# Altium PCB SK-V101-010301.PcbDoc
Units mm, origin at the board's own origin, x right, y up, seen from the top; angles counter-clockwise.
Board outline 127.36 x 111.13 mm, 2 copper layers (Top Layer, Bottom Layer); 86 components, 41 nets, 332 pads, 347 vias.
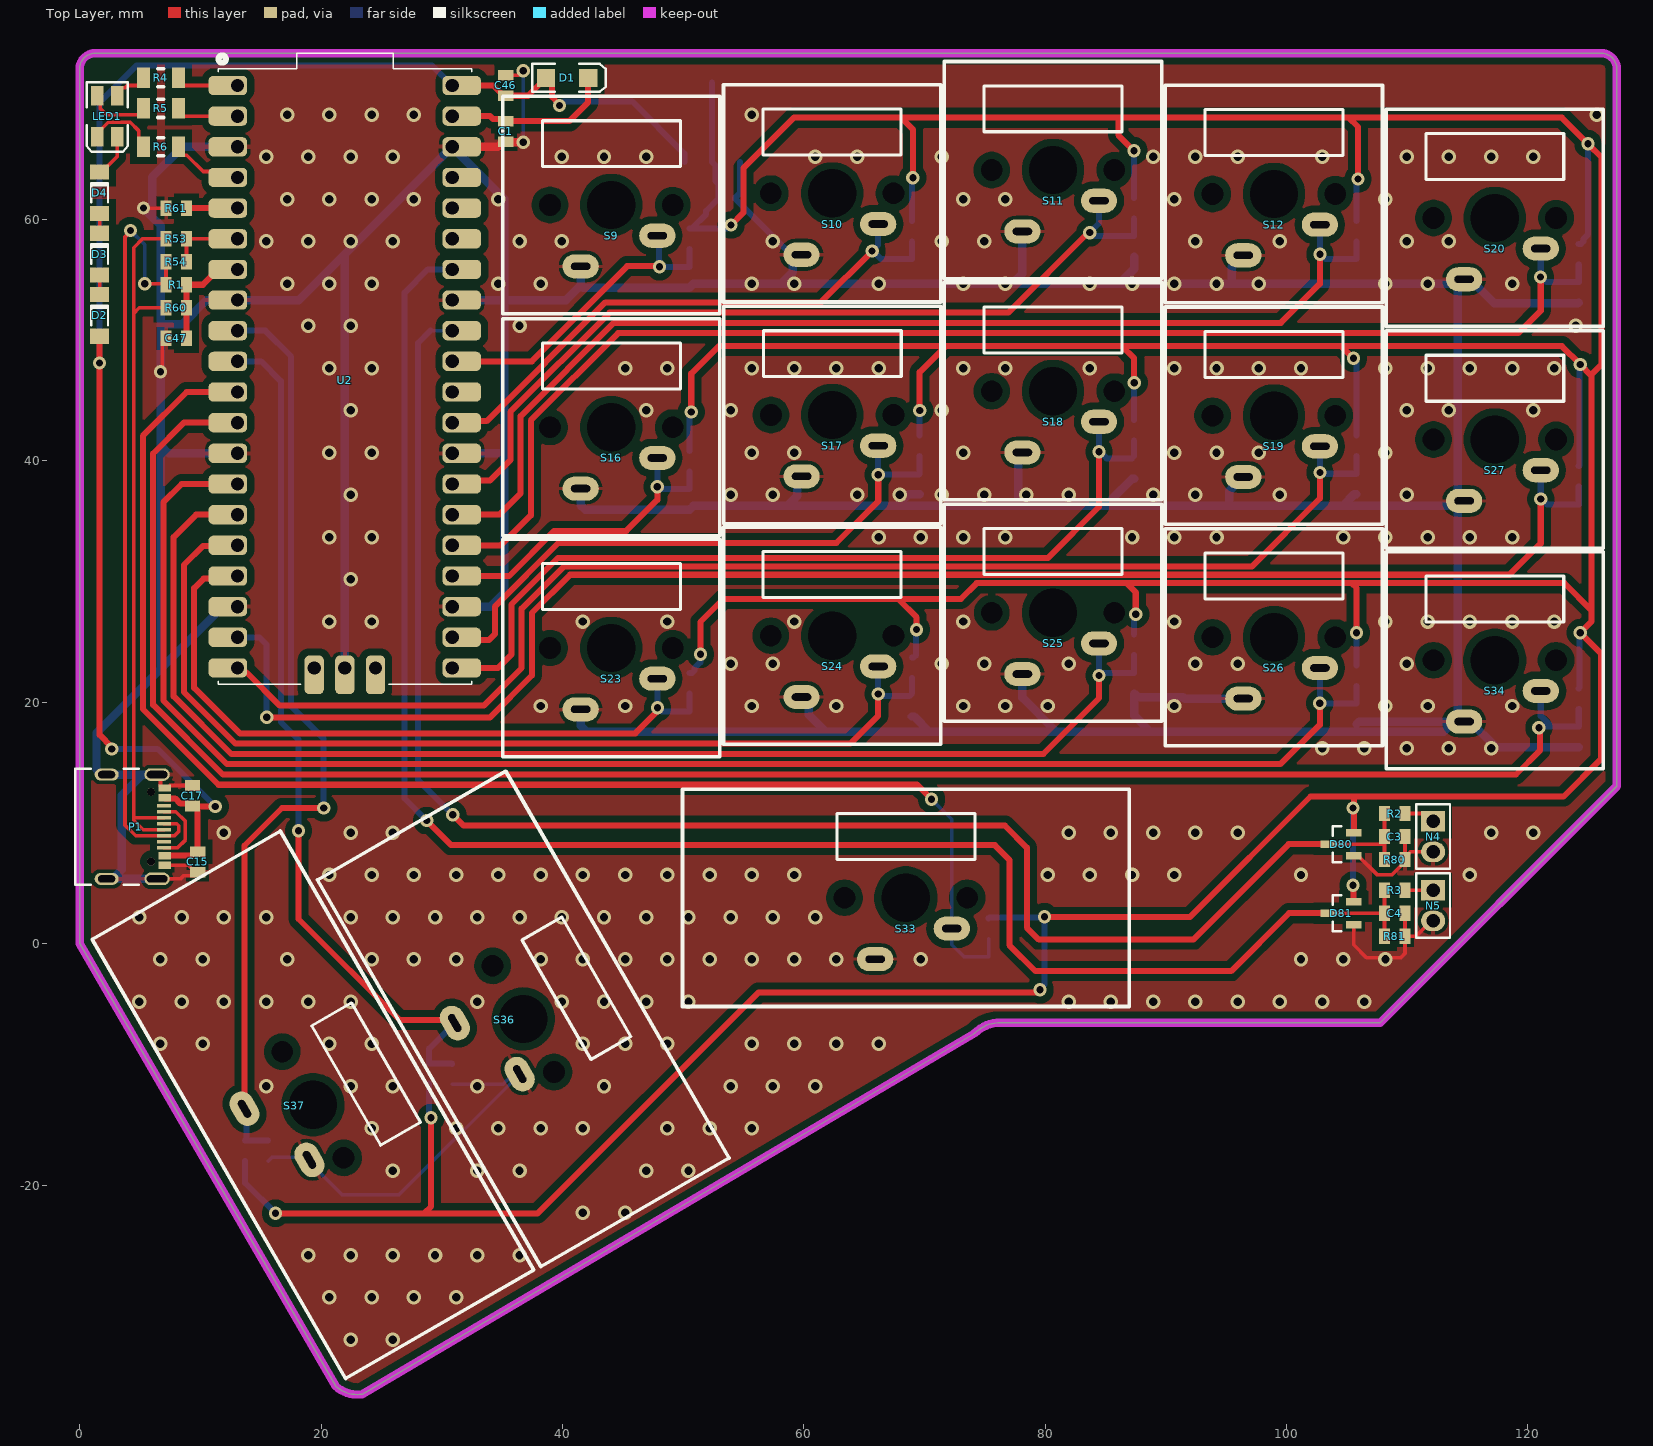
[diagram p0: Top Layer view]
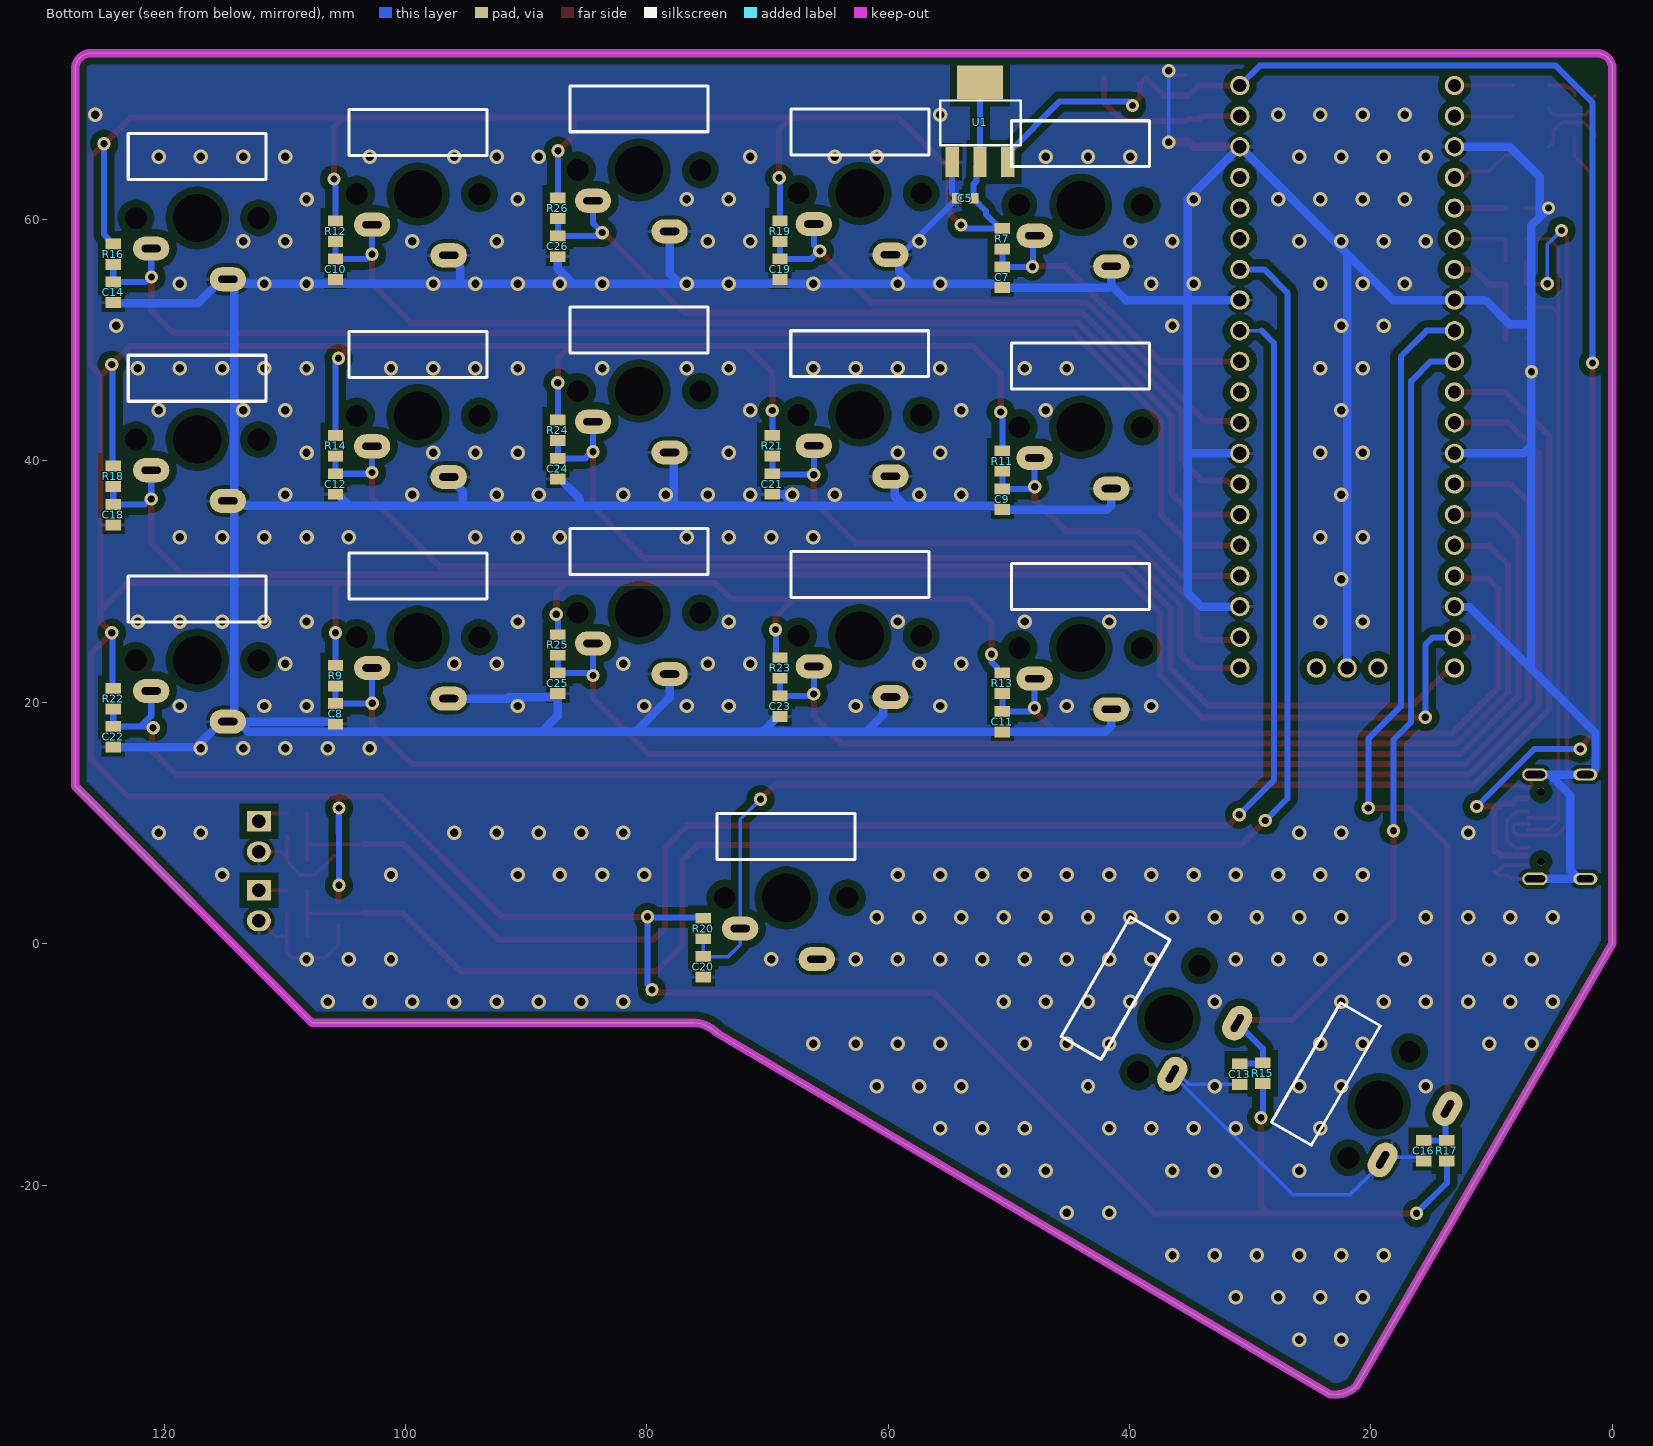
[diagram p1: Bottom Layer view, seen from below]
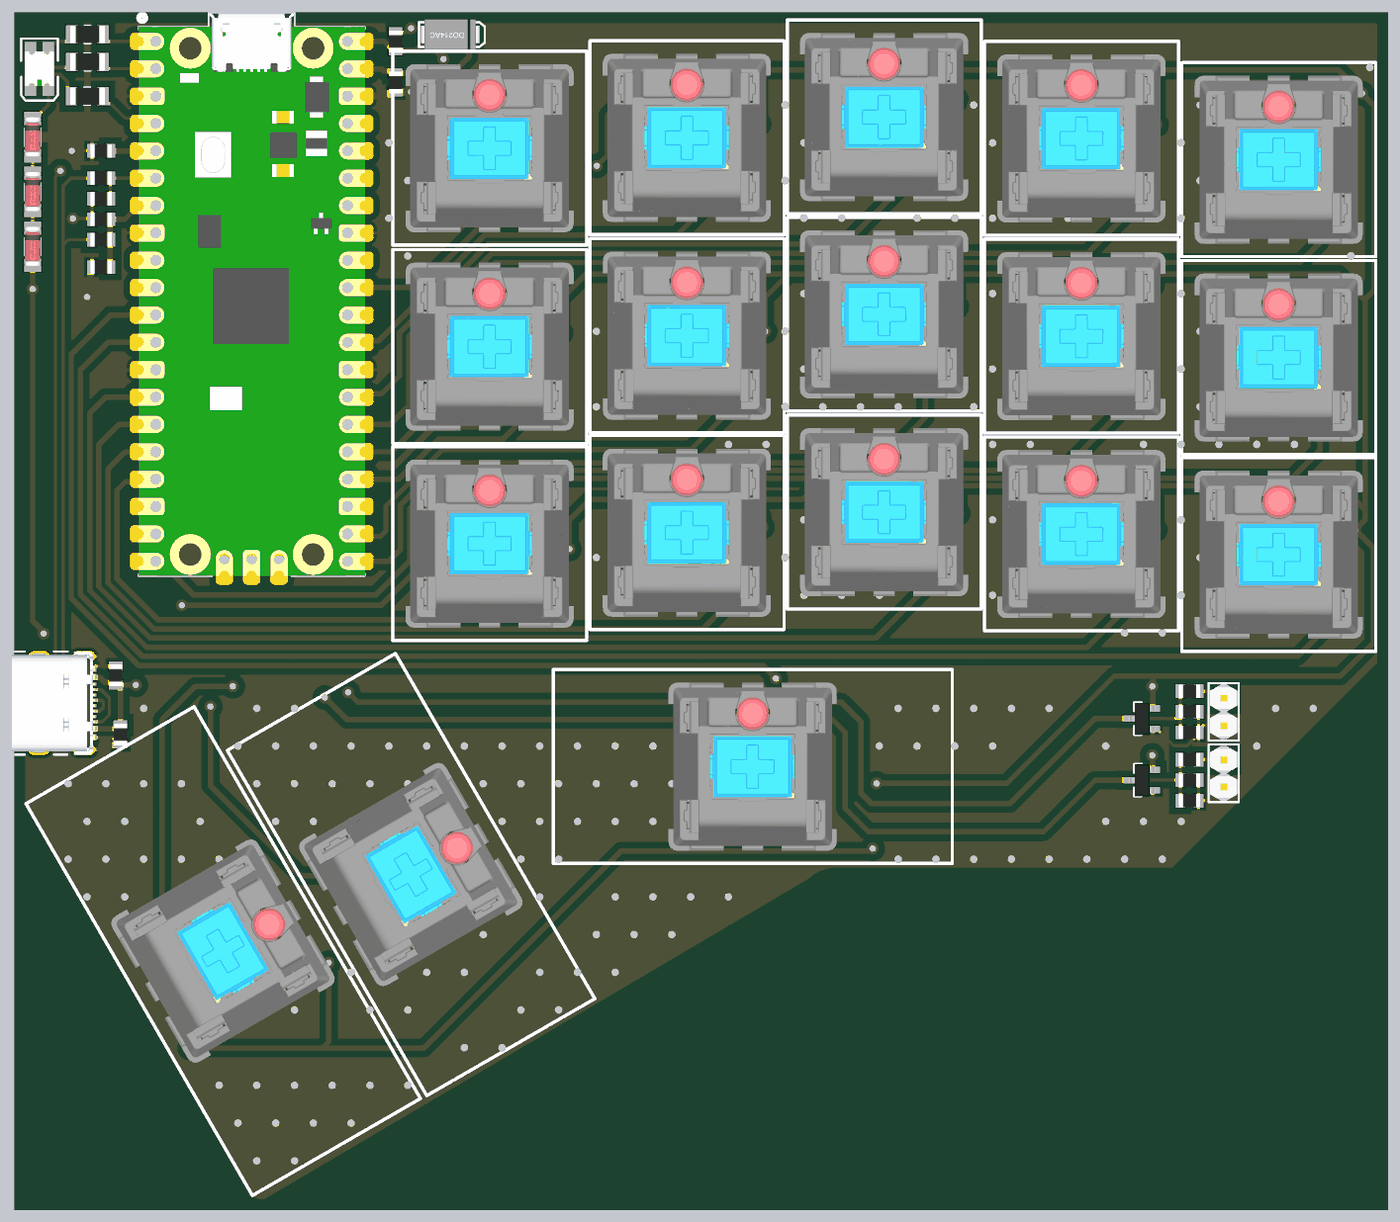
[diagram p2: 3D render of the assembled board from above, using the file's embedded part models]
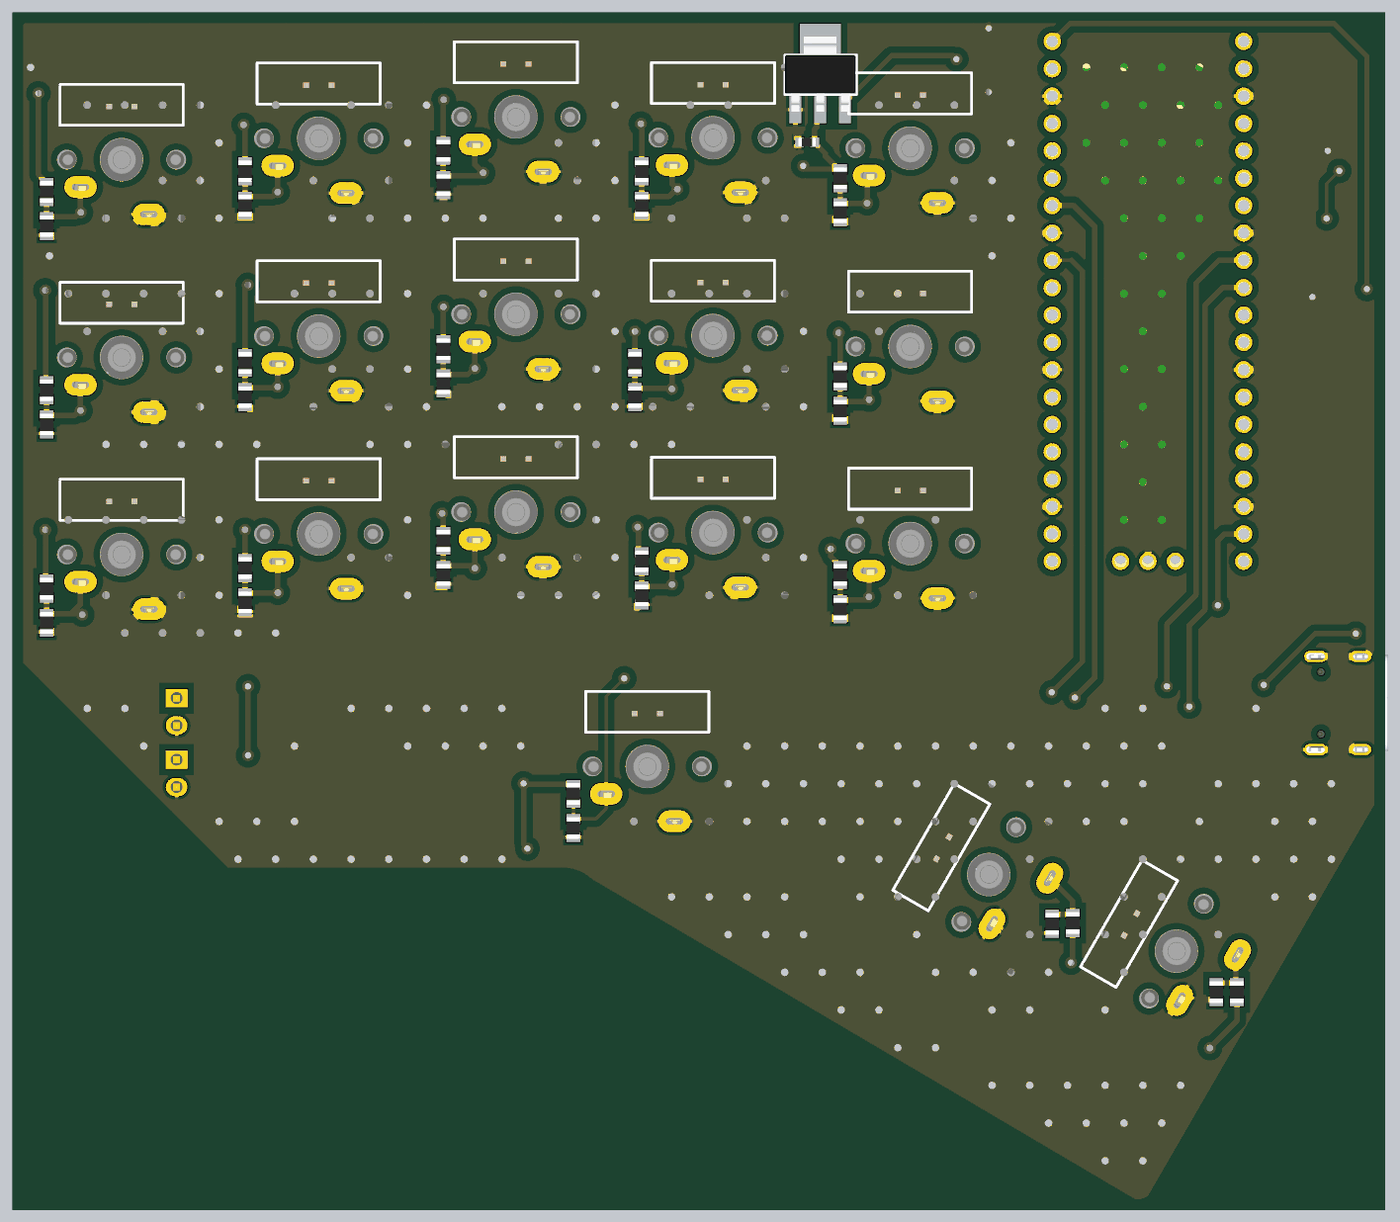
[diagram p3: 3D render of the assembled board from below, using the file's embedded part models]

## Layer stack, top to bottom
Top Solder: solder mask 0.0102, Solder Resist, Dk 3.5
Top Layer: signal copper 0.0356
Dielectric 1: dielectric 0.32, FR-4, Dk 4.8
Bottom Layer: signal copper 0.0356
Bottom Solder: solder mask 0.0102, Solder Resist, Dk 3.5

## Board outline
21.209,-36.668 0,0 0,72.501 cw(c1.27,72.501) 1.27,73.771 126.086,73.771 cw(c126.086,72.501) 127.356,72.501 127.356,69.478 127.356,13.04 107.772,-6.544 76.302,-6.544 ccw(c76.302,-9.61) 74.134,-7.442 23.415,-37.327 cw(c23.005,-34.679)

## Design rules (kind name [scope] priority, off if disabled: settings)
Clearance Poly [All vs InPolygon] p1: gap=0.6 ignorepadtopadclearanceinfootprint=FALSE
Clearance [All] p2: gap=0.2 ignorepadtopadclearanceinfootprint=FALSE
HoleSize [All] p1: absolutevalues=TRUE maxlimit=4.5 minlimit=0.4 maxpercent=80.000 minpercent=20.000
PlaneConnect [All] p1: planeconnectstyle=Direct reliefexpansion=0.508 reliefentries=2 reliefconductorwidth=0.254 reliefairgap=0.254
PolygonConnect [All] p1: thpad.connectstyle=Relief thpad.reliefconductorwidth=0.3 thpad.reliefentries=2 thpad.polygonreliefangle="90 Angle" thpad.airgapwidth=0.3 smdpad.connectstyle=Relief smdpad.reliefconductorwidth=0.3 smdpad.reliefentries=2 smdpad.polygonreliefangle="90 Angle" smdpad.airgapwidth=0.3 via.connectstyle=Direct via.reliefconductorwidth=0.254 via.reliefentries=4 via.polygonreliefangle="90 Angle" via.airgapwidth=0.254
RoomDefinition SK-PiCo [InComponentClass('SK-PiCo')] p1: confinementstyle=ConfineOut formatcopy=TRUE lockcomponents=FALSE outline -89.556,-141.31 -38.756,-141.31 -38.756,-115.91 -89.556,-115.91
RoomDefinition SK-keys [InComponentClass('SK-keys')] p2: confinementstyle=ConfineOut formatcopy=TRUE lockcomponents=FALSE outline 153.395,-10.391 184.436,-10.391 184.436,-28.788 153.395,-28.788
RoomDefinition SK-Connector [InComponentClass('SK-Connector')] p3: confinementstyle=ConfineOut formatcopy=TRUE lockcomponents=FALSE outline 154.536,-28.391 183.536,-28.391 183.536,-5.791 154.536,-5.791
RoomDefinition SK-Additional_keys [InComponentClass('SK-Additional_keys')] p4: confinementstyle=ConfineOut formatcopy=TRUE lockcomponents=FALSE outline 152.936,-27.491 188.036,-27.491 188.036,-8.391 152.936,-8.391
RoutingVias [All] p1: holewidth=0.711 width=1.27 viastyle="Through Hole" minholewidth=0.6 minwidth=1.1 maxholewidth=0.711 maxwidth=1.27
SilkToSilkClearance [All] p1: silktosilkclearance=0.1
SilkToSolderMaskClearance [IsPad] p1: minsilkscreentomaskgap=0.1 clearancetoexposedcopper=TRUE
SolderMaskExpansion [All] p1: expansion=0.102 istentingtop=FALSE
Width [All] p1: maxlimit=3 minlimit=0.3 preferedwidth=0.6
26 further rules are at their usual default settings.

## Classes and differential pairs
component class SK-keys: C5 C7 C8 C9 C10 C11 C12 C13 C14 C16 C18 C19 C20 C21 C22 C23 C24 C25 C26 R7 R9 R11 R12 R13 R14 R15 R16 R17 R18 R19 R20 R21 R22 R23 R24 R25 R26 S9 S10 S11 S12 S16 S17 S18 S19 S20 S23 S24 S25 S26 S27 S33 S34 S36 S37 U1
component class SK-Connector: C15 C17 C46 C47 P1 R1 R53 R54 R60
component class SK-PiCo: C1 D1 D2 D3 D4 LED1 R4 R5 R6 R61 U2
component class SK-Additional_keys: C3 C4 D80 D81 N4 N5 R2 R3 R80 R81

## Components (designator, comment, footprint, x,y, rotation, side; value= is the part's Value field where it differs from the comment)
C1 "100nF" SMH_RES0805-STD 35.306,67.294 r270 top
C3 "10nF" SMH_RES0805-STD 108.966,8.874 r0 top
C4 "10nF" SMH_RES0805-STD 108.966,2.524 r0 top
C5 "100nF" SMH_1608[0603]_STD 53.619,61.757 r180 bottom
C7 "330pF" SMH_RES0805-STD 50.546,55.229 r270 bottom
C8 "330pF" SMH_RES0805-STD 105.791,19.034 r270 bottom
C9 "330pF" SMH_RES0805-STD 50.546,36.814 r270 bottom
C10 "330pF" SMH_RES0805-STD 105.791,55.864 r270 bottom
C11 "330pF" SMH_RES0805-STD 50.546,18.399 r270 bottom
C12 "330pF" SMH_RES0805-STD 105.791,38.084 r270 bottom
C13 "330pF" SMH_RES0805-STD 30.861,-10.811 r270 bottom
C14 "330pF" SMH_RES0805-STD 124.206,53.959 r270 bottom
C15 "100nF" SMH_RES0805-STD 9.779,6.766 r270 top
C16 "330pF" SMH_RES0805-STD 15.621,-17.161 r270 bottom
C17 "100nF" SMH_RES0805-STD 9.347,12.252 r90 top
C18 "330pF" SMH_RES0805-STD 124.206,35.544 r270 bottom
C19 "330pF" SMH_RES0805-STD 68.961,55.864 r270 bottom
C20 "330pF" SMH_RES0805-STD 75.311,-1.921 r270 bottom
C21 "330pF" SMH_RES0805-STD 69.596,38.084 r270 bottom
C22 "330pF" SMH_RES0805-STD 124.206,17.129 r270 bottom
C23 "330pF" SMH_RES0805-STD 68.961,19.669 r270 bottom
C24 "330pF" SMH_RES0805-STD 87.376,39.354 r270 bottom
C25 "330pF" SMH_RES0805-STD 87.376,21.574 r270 bottom
C26 "330pF" SMH_RES0805-STD 87.376,57.769 r270 bottom
C46 "100nF" SMH_RES0805-STD 35.306,71.104 r90 top
C47 "330pF" SMH_RES0805-STD 8.001,50.149 r180 top
D1 "Diode 1N4007" SMH_SMA 40.386,71.739 r0 top
D2 "LL4148" SMH_MINIMELF 1.651,52.054 r90 top
D3 "LL4148" SMH_MINIMELF 1.651,57.134 r90 top
D4 "LL4148" SMH_MINIMELF 1.651,62.214 r90 top
D80 "BAT54S" SMH_SOT-23 104.521,8.239 r90 top
D81 "BAT54S" SMH_SOT-23 104.521,2.524 r90 top
LED1 "RGB 1210" SMH_LED_1210-RGB 2.286,68.564 r270 top
N4 "Header 2" SMH_HDR1X2 112.141,8.874 r270 top
N5 "Header 2" SMH_HDR1X2 112.141,3.159 r270 top
P1 "USB Type C" SMH_USB_C 2.235,9.687 r270 top
R1 "1K" SMH_RES0805-STD 8.001,54.594 r0 top
R2 "1K" SMH_RES0805-STD 108.966,10.779 r180 top
R3 "1K" SMH_RES0805-STD 108.966,4.429 r180 top
R4 "330R" SMH_1206STD 6.731,71.739 r0 top
R5 "330R" SMH_1206STD 6.731,69.199 r0 top
R6 "330R" SMH_1206STD 6.731,66.024 r0 top
R7 "10K" SMH_RES0805-STD 50.546,58.404 r270 bottom
R9 "10K" SMH_RES0805-STD 105.791,22.209 r270 bottom
R11 "10K" SMH_RES0805-STD 50.546,39.989 r270 bottom
R12 "10K" SMH_RES0805-STD 105.791,59.039 r270 bottom
R13 "10K" SMH_RES0805-STD 50.546,21.574 r270 bottom
R14 "10K" SMH_RES0805-STD 105.791,41.259 r270 bottom
R15 "10K" SMH_RES0805-STD 28.96,-10.739 r90 bottom
R16 "10K" SMH_RES0805-STD 124.206,57.134 r270 bottom
R17 "10K" SMH_RES0805-STD 13.716,-17.161 r90 bottom
R18 "10K" SMH_RES0805-STD 124.206,38.719 r270 bottom
R19 "10K" SMH_RES0805-STD 68.961,59.039 r270 bottom
R20 "10K" SMH_RES0805-STD 75.311,1.254 r270 bottom
R21 "10K" SMH_RES0805-STD 69.596,41.259 r270 bottom
R22 "10K" SMH_RES0805-STD 124.206,20.304 r270 bottom
R23 "10K" SMH_RES0805-STD 68.961,22.844 r270 bottom
R24 "10K" SMH_RES0805-STD 87.376,42.529 r270 bottom
R25 "10K" SMH_RES0805-STD 87.376,24.749 r270 bottom
R26 "10K" SMH_RES0805-STD 87.376,60.944 r270 bottom
R53 "10R" SMH_RES0805-STD 8.001,58.404 r180 top
R54 "NM" SMH_RES0805-STD 8.001,56.499 r180 top
R60 "NM" SMH_RES0805-STD 8.001,52.689 r0 top
R61 "1K" SMH_RES0805-STD 8.001,60.944 r180 top
R80 "100K" SMH_RES0805-STD 108.966,6.969 r180 top
R81 "100K" SMH_RES0805-STD 108.966,0.619 r180 top
S9 "SW-PB" SMH_MX_Series_18mm 44.05,61.198 r0 top
S10 "SW-PB" SMH_MX_Series_18mm 62.35,62.163 r0 top
S11 "SW-PB" SMH_MX_Series_18mm 80.65,64.094 r0 top
S12 "SW-PB" SMH_MX_Series_18mm 98.95,62.112 r0 top
S16 "SW-PB" SMH_MX_Series_18mm 44.05,42.783 r0 top
S17 "SW-PB" SMH_MX_Series_18mm 62.357,43.799 r0 top
S18 "SW-PB" SMH_MX_Series_18mm 80.65,45.78 r0 top
S19 "SW-PB" SMH_MX_Series_18mm 98.95,43.748 r0 top
S20 "SW-PB" SMH_MX_Series_18mm 117.25,60.131 r0 top
S23 "SW-PB" SMH_MX_Series_18mm 44.05,24.495 r0 top
S24 "SW-PB" SMH_MX_Series_18mm 62.35,25.511 r0 top
S25 "SW-PB" SMH_MX_Series_18mm 80.65,27.416 r0 top
S26 "SW-PB" SMH_MX_Series_18mm 98.95,25.384 r0 top
S27 "SW-PB" SMH_MX_Series_18mm 117.25,41.767 r0 top
S33 "SW-PB" SMH_MX_SERIES-37MM 68.453,3.794 r0 top
S34 "SW-PB" SMH_MX_Series_18mm 117.25,23.479 r0 top
S36 "SW-PB" SMH_MX_Series-37mm 36.754,-6.239 r300 top
S37 "SW-PB" SMH_MX_Series-42mm 19.329,-13.346 r300 top
U1 "LM1117MP-3.3" SMH_SOT223 52.4,68.056 r180 bottom
U2 "Raspberry Pi PICO" SMH_PICOPI 21.971,46.974 r0 top

## Footprints (in the part's own frame and the unit in brackets; to place one, negate y for a bottom-side part, rotate by r counter-clockwise, add the part's x,y. Pads: shape width x height; smd on the part's side, far side on the other; paste and mask are expansions set on the pad)
SMH_1206STD [mm]
  rect 1.1x1.7 smd: 1(-1.45,0) 2(1.45,0)
  silkscreen extent -0.25,-0.75 0.25,0.75, body extent -1.6,-0.8 1.6,0.8, height 0.6
SMH_1608[0603]_STD [mm]
  rect 0.8x0.9 smd: 1(-0.7,0) 2(0.7,0)
  body extent -0.8,-0.4 0.8,0.4, height 0.45
SMH_HDR1X2 [mm] "Connector; Header; 2 Position"
  rect 1.7x2 hole 1.1: 1(-1.27,0)
  oval 1.7x2 hole 1.1: 2(1.27,0)
  silkscreen extent -2.67,-1.4 2.67,1.4, body extent -2.54,-1.27 2.54,1.27, height 8.34
SMH_LED_1210-RGB [mm] "3.2*2.8*1.1"
  rect 1.6x1.05 smd paste+0 mask+0: 1(1.7,-0.825) 2(1.7,0.825) 3(-1.7,0.825) 4(-1.7,-0.825)
  silkscreen extent -2.8,-1.7 2.95,1.7, body extent -1.6,-1.35 1.6,1.35, height 1.1